# Altium PCB transceiver_board_V1.PcbDoc (part 1 of 3) (continued)
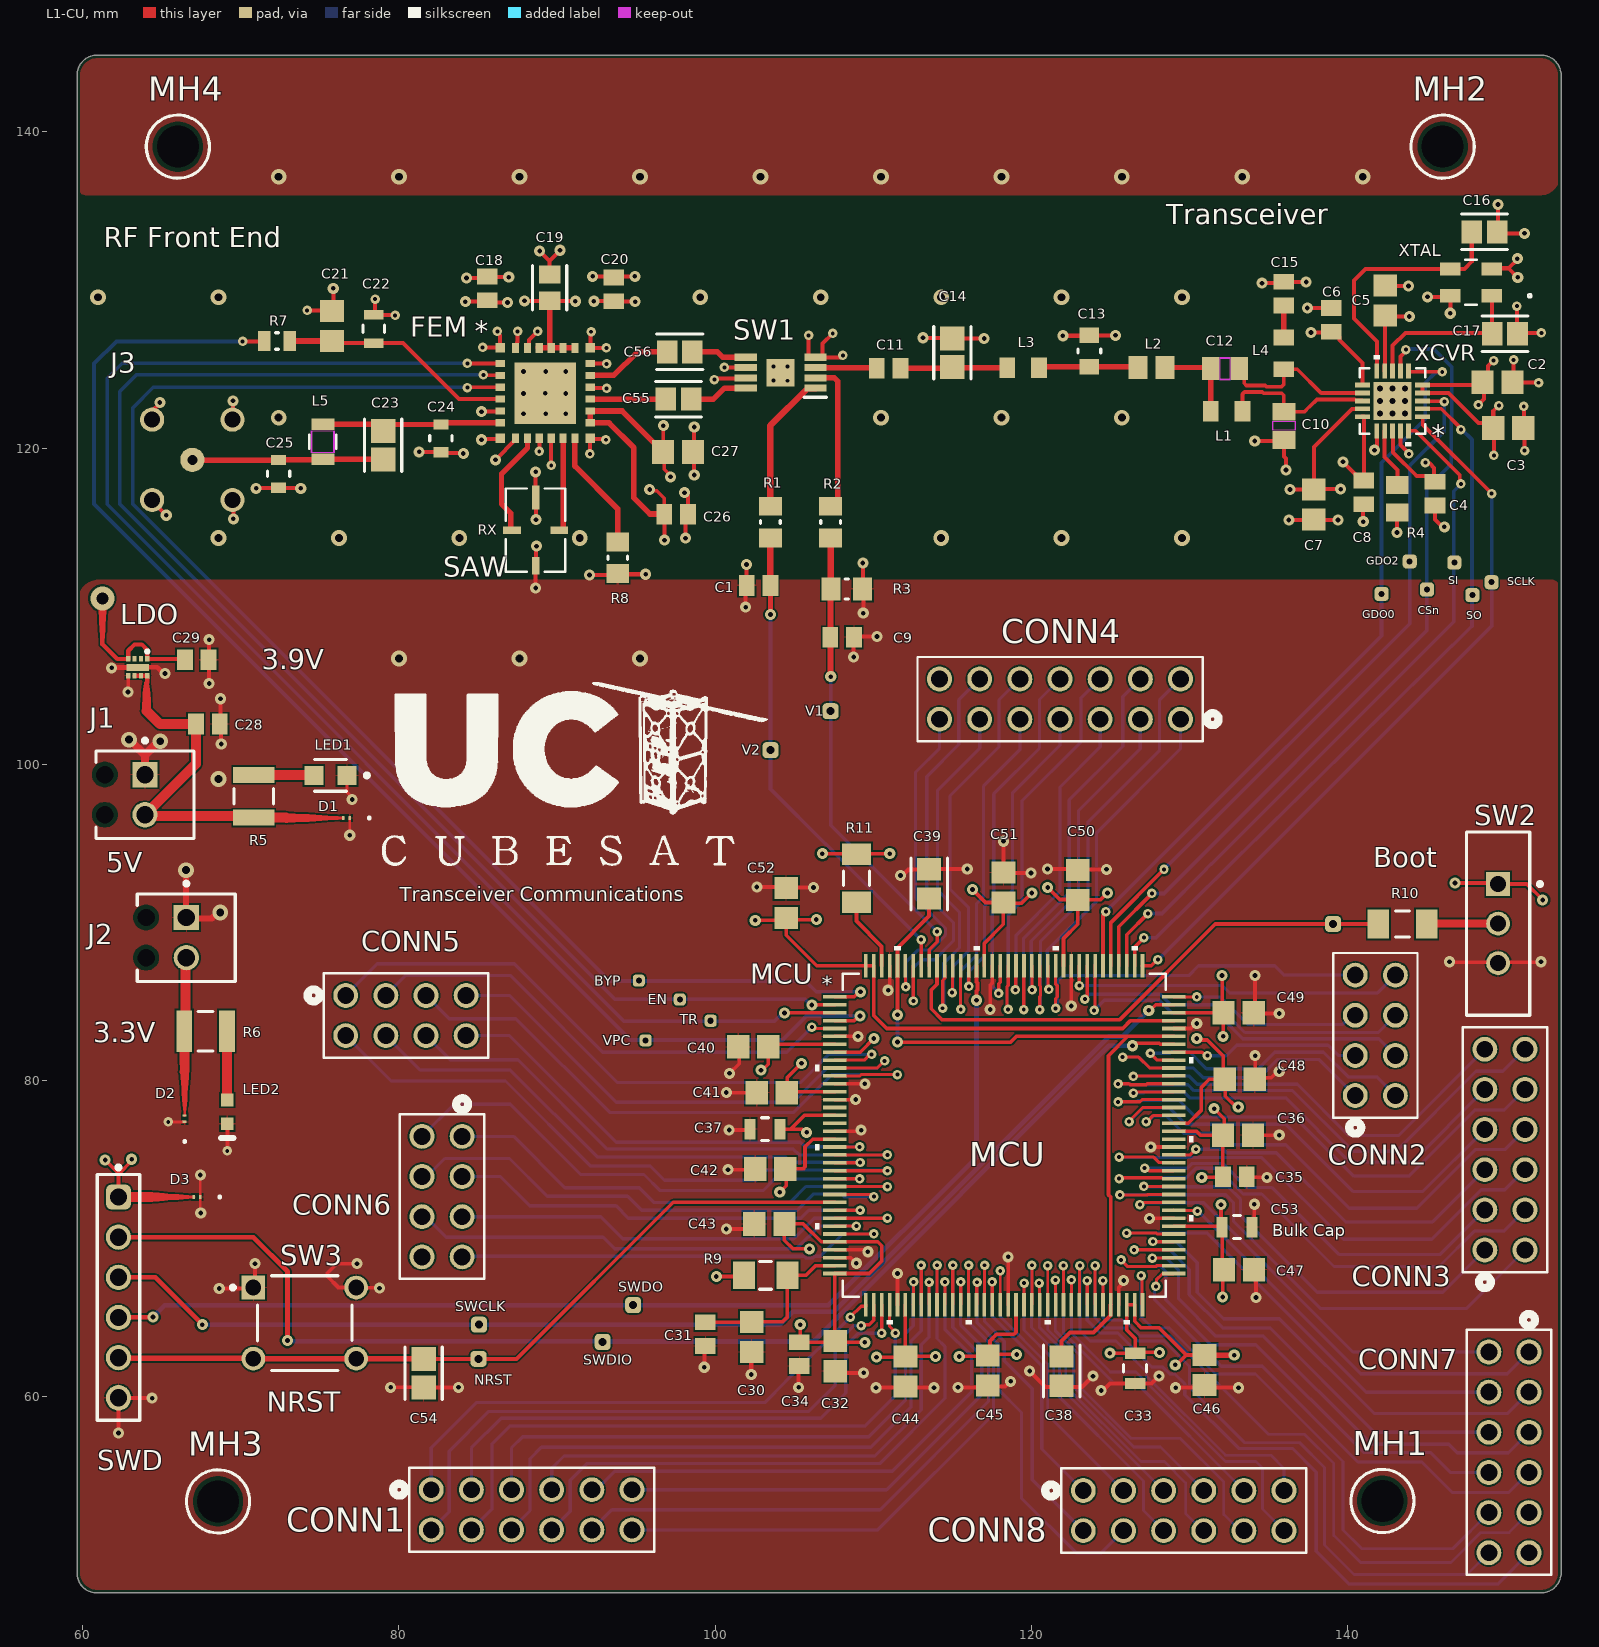
[diagram p0: L1-CU view]
## Design rules (kind name [scope] priority, off if disabled: settings) (continued)
SilkToSilkClearance [All] p1: silktosilkclearance=0.127
SilkToSolderMaskClearance "LDO silk to solder" [HasFootprint('NCP186AMX330TAG') vs HasFootprint('NCP186AMX330TAG')] p1: minsilkscreentomaskgap=0.025 clearancetoexposedcopper=TRUE
SilkToSolderMaskClearance [IsPad] p2: minsilkscreentomaskgap=0.127 clearancetoexposedcopper=TRUE
SolderMaskExpansion [All] p1: expansion=0.051 istentingtop=FALSE
SupplyNets "Schematic Supply Nets_5" [InNet('3.9V')] p1: voltage=0.000
SupplyNets "Schematic Supply Nets_3" [InNet('VREF+')] p2: voltage=0.000
SupplyNets "Schematic Supply Nets_2" [InNet('5V')] p3: voltage=0.000
SupplyNets "Schematic Supply Nets_1" [InNet('3.3V')] p4: voltage=0.000
SupplyNets "Schematic Supply Nets" [InNet('GND')] p5: voltage=0.000
UnRoutedNet [All] p1: checkbadconnections=TRUE
Width Width_4mil [All] p1: maxlimit=25.4 minlimit=0.102 preferedwidth=0.102 minimp=50.000000 maximp=50.000000 favimp=50.000000
Width Width_6mil [All] p2: maxlimit=25.4 minlimit=0.152 preferedwidth=0.152 minimp=50.000000 maximp=50.000000 favimp=50.000000
Width Width_10mil [All] p3: maxlimit=25.4 minlimit=0.203 preferedwidth=0.254 minimp=50.000000 maximp=50.000000 favimp=50.000000
Width Power_20mil [All] p4: maxlimit=25.4 minlimit=0.508 preferedwidth=0.508 minimp=50.000000 maximp=50.000000 favimp=50.000000
Width Power_12mil [All] p5: maxlimit=25.4 minlimit=0.305 preferedwidth=0.305 minimp=50.000000 maximp=50.000000 favimp=50.000000
19 further rules are at their usual default settings.

## Classes and differential pairs
component class stm32_mcu: C30 C31 C32 C33 C34 C35 C36 C37 C38 C39 C40 C41 C42 C43 C44 C45 C46 C47 C48 C49 C50 C51 C52 C53 C54 CONN1 CONN2 CONN3 CONN4 CONN5 CONN6 CONN7 CONN8 D3 IC2 MCU R9 R10 R11 SW2 SW3 SWD
component class jlin_transceiver_prototype: C1 C2 C3 C4 C5 C6 C7 C8 C9 C10 C11 C12 C13 C14 C15 C16 C17 C18 C19 C20 C21 C22 C23 C24 C25 C26 C27 C28 C29 C55 C56 D1 D2 dr FEM J1 J2 J3 L1 L2 L3 L4 L5 LDO LED1 LED2 MH1 MH2 MH3 MH4 R1 R2 R3 R4 R5 R6 R7 R8 "RF SWITCH" SAW SW1 XCVR XTAL
differential pair RF: +RF_P -RF_N

## Components (designator, comment, footprint, x,y, rotation, side; value= is the part's Value field where it differs from the comment)
C1 "GRM2165C1H101JA01D" CAPC2013X70X45LL10T25 102.747,111.303 r180 top value=100pF
C2 "GRM21BR72A104KAC4L" CAPC2013X135X45ML10T25 149.504,124.155 r180 top value=100nF
C3 "GRM21BR72A104KAC4L" CAPC2013X135X45ML10T25 150.175,121.26 r180 top value=100nF
C4 "GRM2165C1H221JA01D" CAPC2013X70X45LL10T25 145.542,117.119 r90 top value=220pF
C5 "GRM21BR72A103KA01K" CAPC2013X135X45ML10T25 142.392,129.337 r270 top value=10nF
C6 "GRM2165C1H221JA01D" CAPC2013X70X45LL10T25 138.989,128.106 r270 top value=220pF
C7 "GRM21BR72A103KA01K" CAPC2013X135X45ML10T25 137.871,116.434 r90 top value=10nF
C8 "GRM2165C1H221JA01D" CAPC2013X70X45LL10T25 141.046,117.196 r90 top value=220pF
C9 "GRM2165C1H101JA01D" CAPC2013X70X45LL10T25 108.03,108.036 r180 top value=100pF
C10 "CC0805CRNPO9BN3R9" CAP_CC0805_YAG 135.992,121.404 r270 top value=3.9pF
C11 "GRM2165C1H221JA01D" CAPC2013X70X45LL10T25 110.973,125.05 r180 top value=220pF
C12 "CC0805CRNPO9BN3R9" CAP_CC0805_YAG 132.258,125.019 r180 top value=3.9pF
C13 "KGM21BCG2A8R2DT" FP-0805-L_2_01_0_2-W_1_25-MFG 123.673,126.136 r90 top value=8.2pF
C14 "C0805C569C5GACTU" FP-C0805C-DN-IPC_A 115.011,126.027 r90 top value=5.6pF
C15 "GRM2165C1H221JA01D" CAPC2013X70X45LL10T25 135.966,129.769 r270 top value=220pF
C16 "GRM21A5C2E270JW01D" FP-GRM21A-0_2-IPC_B 148.666,133.68 r0 top value=27pF
C17 "GRM21A5C2E270JW01D" FP-GRM21A-0_2-IPC_B 149.962,127.229 r0 top value=27pF
C18 "GRM2165C1H221JA01D" CAPC2013X70X45LL10T25 85.598,130.099 r270 top value=220pF
C19 "GRM2165C2A102JA01D" FP-GRM216-0_1-IPC_B 89.535,130.15 r270 top value=1nF
C20 "GRM21BR71C105KA01L" CAPC2013X135X45LL10T25 93.599,130.035 r270 top value=1µF
C21 "GRM21BR72A104KAC4L" CAPC2013X135X45ML10T25 75.768,127.726 r270 top value=100nF
C22 "GRM2195C1H472JA01D" FP-GRM219-0_1-MFG 78.41,127.538 r90 top value=4.7nF
C23 "C0805C309C5GACTU" FP-C0805C-DN-IPC_A 78.994,120.167 r90 top value=3pF
C24 "GQM2195C2E6R8BB12D" FP-GQM219-0_15-MFG 82.652,120.613 r270 top value=6.8pF
C25 "GQM2195C2E6R8BB12D" FP-GQM219-0_15-MFG 72.39,118.364 r270 top value=6.8pF
C26 "GRM2165C1H221JA01D" CAPC2013X70X45LL10T25 97.536,115.824 r180 top value=220pF
C27 "GRM21BR72A103KA01K" CAPC2013X135X45ML10T25 97.663,119.753 r180 top value=10nF
C28 "GRM21BR71C105KA01L" CAPC2013X135X45LL10T25 67.908,102.542 r180 top value=1µF
C29 "GRM21BR71C105KA01L" CAPC2013X135X45LL10T25 67.208,106.604 r180 top value=1µF
C30 "GRM21BR72A104KAC4L" CAPC2013X135X45ML10T25 102.311,63.769 r90 top locked value=100nF
C31 "GRM21BR71C105KA01L" CAPC2013X135X45LL10T25 99.39,63.944 r90 top locked value=1µF
C32 "GRM21BR72A104KAC4L" CAPC2013X135X45ML10T25 107.594,62.55 r90 top locked value=100nF
C33 "GRM21BZ7YA475KE15K" FP-GRM21B-0_2-e0_2_0_7-MFG 126.568,61.783 r270 top locked value=4.7µF
C34 "GRM21BR71C105KA01L" CAPC2013X135X45LL10T25 105.334,62.675 r90 top locked value=1µF
C35 "GRM21BR71C105KA01L" CAPC2013X135X45LL10T25 132.879,73.889 r180 top locked value=1µF
C36 "GRM21BR72A104KAC4L" CAPC2013X135X45ML10T25 133.071,76.53 r180 top locked value=100nF
C37 "GRM21BZ7YA475KE15K" FP-GRM21B-0_2-e0_2_0_7-MFG 103.149,76.911 r180 top locked value=4.7µF
C38 "GRM21BR71E225KE11L" FP-GRM21B-0_15-IPC_A 121.92,61.609 r270 top locked value=2.2µF
C39 "GRM21BR71E225KE11L" FP-GRM21B-0_15-IPC_A 113.538,92.423 r90 top locked value=2.2µF
C40 "GRM21BR72A104KAC4L" CAPC2013X135X45ML10T25 102.413,82.118 r0 top locked value=100nF
C41 "GRM21BR72A104KAC4L" CAPC2013X135X45ML10T25 103.581,79.223 r0 top locked value=100nF
C42 "GRM21BR72A104KAC4L" CAPC2013X135X45ML10T25 103.49,74.397 r0 top locked value=100nF
C43 "GRM21BR72A104KAC4L" CAPC2013X135X45ML10T25 103.429,70.917 r0 top locked value=100nF
C44 "GRM21BR72A104KAC4L" CAPC2013X135X45ML10T25 112.039,61.585 r90 top locked value=100nF
C45 "GRM21BR72A104KAC4L" CAPC2013X135X45ML10T25 117.246,61.654 r90 top locked value=100nF
C46 "GRM21BR72A104KAC4L" CAPC2013X135X45ML10T25 130.962,61.671 r90 top locked value=100nF
C47 "GRM21BR72A104KAC4L" CAPC2013X135X45ML10T25 133.132,68.021 r180 top locked value=100nF
C48 "GRM21BR72A104KAC4L" CAPC2013X135X45ML10T25 133.187,80.061 r180 top locked value=100nF
C49 "GRM21BR72A104KAC4L" CAPC2013X135X45ML10T25 133.121,84.277 r180 top locked value=100nF
C50 "GRM21BR72A104KAC4L" CAPC2013X135X45ML10T25 122.936,92.365 r270 top locked value=100nF
C51 "GRM21BR72A104KAC4L" CAPC2013X135X45ML10T25 118.237,92.202 r270 top locked value=100nF
C52 "GRM21BR72A104KAC4L" CAPC2013X135X45ML10T25 104.496,91.211 r270 top locked value=100nF
C53 "GRM21BZ7YA475KE15K" FP-GRM21B-0_2-e0_2_0_7-MFG 133.02,70.714 r0 top locked value=4.7µF
C54 "C0805C104K5RACTU" FP-C0805C-DN-IPC_A 81.559,61.468 r90 top value=100nF
C55 "GRM21A5C2E680JW01D" FP-GRM21A-0_2-IPC_B 97.688,123.088 r180 top value=68pF
C56 "GRM21A5C2E680JW01D" FP-GRM21A-0_2-IPC_B 97.765,126.086 r180 top value=68pF
CONN1 "10-89-7120" CONN12_0010897120_MOL 82.042,54.102 r0 top
CONN2 "10-89-7080" CONN08_0010897080_MOL 140.495,79.036 r90 top
CONN3 "10-89-7120" CONN12_0010897120_MOL 148.692,69.266 r90 top
CONN4 "10-89-7140" CONN14_0010897140_MOL 129.438,102.845 r180 top
CONN5 "10-89-7080" CONN08_0010897080_MOL 76.632,85.369 r0 top
CONN6 "10-89-7080" CONN08_0010897080_MOL 83.998,76.454 r270 top
CONN7 "10-89-7120" CONN12_0010897120_MOL 151.486,62.814 r270 top
CONN8 "10-89-7120" CONN12_0010897120_MOL 123.292,54.051 r0 top
D1 "PESD3V3Z1BCSFYL" SOD962-2_DSN0603-2_NEX 76.683,96.596 r180 top
D2 "PESD3V3Z1BCSFYL" SOD962-2_DSN0603-2_NEX 66.446,77.572 r90 top
D3 "PESD3V3Z1BCSFYL" SOD962-2_DSN0603-2_NEX 67.234,72.619 r180 top
FEM "SKY65366-21" SKY65366-21-Footprint-1 89.256,123.342 r0 top locked
J1 "1725656" PHOE-1725656-2 63.932,98.069 r270 top
J2 "1725656" PHOE-1725656-2 66.548,89.027 r270 top locked
J3 "CONMCX" CONMCX002-Footprint-1 66.929,119.253 r270 top locked
L1 "7447880127" WE-MK_0805_L2W1.25H0.85 132.359,122.326 r180 top value=27nH
L2 "AIMC-0805-22NJ-T" INDC2012X105N 127.61,125.095 r180 top value=22nH
L3 "7447880127" WE-MK_0805_L2W1.25H0.85 119.482,125.075 r180 top value=27nH
L4 "7447880127" WE-MK_0805_L2W1.25H0.85 135.966,125.984 r270 top value=27nH
L5 "AIMC-0805-12NJ-T" AIMC-0805_ABR 75.184,120.396 r90 top value=12nH
LDO "NCP186AMX390TAG" NCP186AMX330TAG 63.478,106.38 r180 top locked
LED1 "LTST-C170KFKT" FP-LTST-C170KFKT-MFG 75.667,99.289 r180 top
LED2 "LTST-C190KRKT" LTST-C191KRKT_V 69.139,78.003 r270 top
MCU "STM32H745ZIT3" LQFP-144 118.288,76.53 r0 top locked
MH1 "MPMS0020012PH" BF-MPMS0020012PH 142.215,53.391 r0 top locked
MH2 "MPMS0020012PH" BF-MPMS0020012PH 146.025,139.065 r0 top
MH3 "MPMS0020012PH" BF-MPMS0020012PH 68.555,53.365 r0 top
MH4 "MPMS0020012PH" BF-MPMS0020012PH 66.015,139.065 r0 top
R1 "Resistor 0R +/- 5% 0805 125 mW" RESC2013X60X35ML10T20 103.497,115.316 r90 top value=0
R2 "Resistor 0R +/- 5% 0805 125 mW" RESC2013X60X35ML10T20 107.307,115.316 r90 top value=0
R3 "Resistor 0R +/- 5% 0805 125 mW" RESC2013X60X35ML10T20 108.323,111.084 r180 top value=0
R4 "ERJ-6GEYJ563V" RESC2013X70X40NL20T20 143.154,116.789 r270 top value=56k
R5 "CRCW1210150RJNEA" FP-CRCW1210-e3-IPC_C 70.815,97.972 r270 top value=150
R6 "CRCW1210150RJNEA" FP-CRCW1210-e3-IPC_C 67.767,83.109 r180 top value=150
R7 "RC0805FR-0710KL" RESC2013X60X35LL10T20 72.288,126.771 r0 top value=10k
R8 "Resistor 0R +/- 5% 0805 125 mW" RESC2013X60X35ML10T20 93.843,113.057 r90 top value=0
R9 "RMCF1206JT47R0" FP-RMCF1206-IPC_B 103.2,67.666 r0 top locked value=47
R10 "RC0805FR-0710KL" RESC3216X60X45ML15T20 143.485,89.891 r0 top value=10k
R11 "Resistor 10k +/-1% 1206 250 mW" RESC3216X60X45ML15T20 108.941,92.786 r90 top locked value=10k
SAW "B39431R0820H210" B39431R0820H210_QUA 88.646,114.808 r0 top
SW1 "PE4251MLI-Z" SOP65P490X106-9N 104.14,124.765 r180 top locked
SW2 "EG1218" ESWI-EG1218_V 149.53,89.916 r270 top locked
SW3 "1825910-6 Tact Switch" TECO-1825910-6_V 74.041,64.643 r0 top locked
SWD "61300611121" 61300611121 62.255,66.269 r270 top
XCVR "CC1101RGP" CC1101RGP-Footprint-1 142.857,122.98 r180 top locked
XTAL "NX3225GA-26MHZ-TI" NX3225GA_NDK 147.828,130.48 r180 top locked

## Footprints (in the part's own frame and the unit in brackets; to place one, negate y for a bottom-side part, rotate by r counter-clockwise, add the part's x,y. Pads: shape width x height; smd on the part's side, far side on the other; paste and mask are expansions set on the pad)
61300611121 [mm] "Pin Header, pitch 2.54 mm, THT, Vertical, single row, 6p"
  rrect50% 1.6x1.6 hole 1.1: 1(-6.35,0)
  round 1.6 hole 1.1: 2(-3.81,0) 3(-1.27,0) 4(1.27,0) 5(3.81,0) 6(6.35,0)
  silkscreen extent -8.34,-1.35 7.77,1.35, body extent -7.62,-1.27 7.62,1.27, height 8.57
AIMC-0805_ABR [mil]
  rect 28x57 smd paste+0 mask+0: 1(-43.5,0) 2(43.5,0)
  L1-CU keep-out region: -27.5,-26.5 -27.5,26.5 27.5,26.5 27.5,-26.5
  Keep-Out Layer region: -27.5,-28.5 -27.5,28.5 27.5,28.5 27.5,-28.5
  silkscreen extent -17,-34 17,34, body extent -44,-29 44,29, height 45
B39431R0820H210_QUA [mil]
  rect 44x19 smd paste+0 mask+0: 1(-59,0) 3(59,0)
  rect 19x44 smd paste+0 mask+0: 2(0,-88.5)
  rect 19x59 smd paste+0 mask+0: 4(0,81)
  silkscreen extent -74,-104 74,104
BF-MPMS0020012PH [mm] "Copper Pillar 9mm, M2 Screw"
  round 1 hole 2.65 unplated: 1(0,0)
  silkscreen extent -2,-2 2,2, body extent -1.85,-1.85 1.85,1.85, height 4.75
CAP_CC0805_YAG [mil]
  rect 44x57 smd paste+0 mask+0: 1(-35.31,0) 2(35.31,0)
  L1-CU keep-out region: -11.31,-26.5 -11.31,26.5 11.31,26.5 11.31,-26.5
  Keep-Out Layer region: -11.31,-28.5 -11.31,28.5 11.31,28.5 11.31,-28.5
  body extent -70,-42 70,42, height 57
CAPC2013X70X45LL10T25 [mm] "Chip Capacitor, 2-Leads, Body 2.00x1.25mm, IPC High Density"
  rect 1x1.3 smd: 1(-0.75,0) 2(0.75,0)
  body extent -1.05,-0.67 1.05,0.68, height 0.7
CAPC2013X135X45LL10T25 [mm] "Chip Capacitor, 2-Leads, Body 2.00x1.25mm, IPC High Density"
  rect 1x1.3 smd: 1(-0.75,0) 2(0.75,0)
  body extent -1.05,-0.67 1.05,0.68, height 1.35
CAPC2013X135X45ML10T25 [mm] "Chip Capacitor, 2-Leads, Body 2.00x1.25mm, IPC Low Density"
  rect 1.4x1.5 smd: 1(-0.95,0) 2(0.95,0)
  body extent -1.05,-0.67 1.05,0.67, height 1.35
CC1101RGP-Footprint-1 [mil]
  rect 37.5x12 smd paste-18.75 mask-19: 1(-74.75,39.37) 2(-74.75,19.69) 3(-74.75,0) 4(-74.75,-19.68) 5(-74.75,-39.37) 11(74.75,-39.37) 12(74.75,-19.68) 13(74.75,0) 14(74.75,19.69) 15(74.75,39.37)
  rect 12x37.5 smd paste-18.75 mask-19: 6(-39.37,-74.75) 7(-19.69,-74.75) 8(0,-74.75) 9(19.68,-74.75) 10(39.37,-74.75) 16(39.37,74.75) 17(19.68,74.75) 18(0,74.75) 19(-19.69,74.75) 20(-39.37,74.75)
  rect 95x95 smd paste-47 mask-47: 21(0,0)
  round 30 hole 15 paste-99999 mask-10: GND(0,-31) V(-31,31) V(-31,0) V(-31,-31) V(0,31) V(0,0) V(31,31) V(31,0) V(31,-31)
  silkscreen extent -82,-114 82,114, body extent -81,-81 81,81, height 39
CONMCX002-Footprint-1 [mil]
  round 60 hole 25 paste-99999 mask+10: 1(0,0)
  round 60 hole 40 paste-99999 mask+10: 2(-100,100) 3(100,100) 4(100,-100) 5(-100,-100)
  body extent -118,-250 118,120, height 218
CONN08_0010897080_MOL [mil]
  round 62 / inner round 60 / far side round 62 hole 42 paste-99999 mask+0: 1(0,0) 2(0,-100) 3(100,0) 4(100,-100) 5(200,0) 6(200,-100) 7(300,0) 8(300,-100)
  silkscreen extent -95,-155 355,55, body extent -50,-150 350,50, height 285
CONN12_0010897120_MOL [mil]
  round 62 / inner round 60 / far side round 62 hole 42 paste-99999 mask+0: 1(0,0) 2(0,-100) 3(100,0) 4(100,-100) 5(200,0) 6(200,-100) 7(300,0) 8(300,-100) 9(400,0) 10(400,-100) 11(500,0) 12(500,-100)
  silkscreen extent -95,-155 555,55, body extent -50,-150 550,50, height 285
CONN14_0010897140_MOL [mil]
  round 62 / inner round 60 / far side round 62 hole 42 paste-99999 mask+0: 1(0,0) 2(0,-100) 3(100,0) 4(100,-100) 5(200,0) 6(200,-100) 7(300,0) 8(300,-100) 9(400,0) 10(400,-100) 11(500,0) 12(500,-100) 13(600,0) 14(600,-100)
  silkscreen extent -95,-155 655,55, body extent -50,-150 650,50, height 285
ESWI-EG1218_V [mm] "THD, 3-Leads, Body 11.6x4mm, Pitch 2.5mm"
  rect 1.5x1.5 hole 1: 1(-2.5,0)
  round 1.5 hole 1: 2(0,0) 3(2.5,0)
  silkscreen extent -5.8,-2 5.8,2.78, body extent -5.8,-2 5.8,2, height 7.4
FP-0805-L_2_01_0_2-W_1_25-MFG [mm]
  rect 1x1.25 smd paste+0 mask+0: 1(-1,0) 2(1,0)
  silkscreen extent -0.13,-0.72 0.13,0.72, body extent -1.6,-0.82 1.6,0.82, height 0.25
FP-C0805C-DN-IPC_A [mm]
  rect 1.505x1.556 smd paste+0 mask+0: 1(-0.901,0) 2(0.901,0)
  silkscreen extent -1.65,-1.18 1.65,1.18, body extent -2.15,-1.28 2.15,1.28, height 0.25
FP-CRCW1210-e3-IPC_C [mm]
  rect 1.005x2.606 smd paste+0 mask+0: 1(-1.351,0) 2(1.351,0)
  silkscreen extent -0.47,-1.25 0.47,1.25, body extent -1.95,-1.45 1.95,1.45, height 0.25
FP-GQM219-0_15-MFG [mm]
  rect 0.65x0.95 smd paste+0 mask+0: 1(-0.875,0) 2(0.875,0)
  silkscreen extent -0.18,-0.7 0.18,0.7, body extent -1.3,-0.8 1.3,0.8, height 0.25
FP-GRM21A-0_2-IPC_B [mm]
  rect 1.305x1.456 smd paste+0 mask+0: 1(-0.801,0) 2(0.801,0)
  silkscreen extent -1.45,-1.13 1.45,1.13, body extent -1.7,-0.98 1.7,0.98, height 0.25
FP-GRM21B-0_2-e0_2_0_7-MFG [mm]
  rect 0.7x1.3 smd paste+0 mask+0: 1(-0.95,0) 2(0.95,0)
  silkscreen extent -0.23,-0.72 0.23,0.72, body extent -1.4,-0.82 1.4,0.82, height 0.25
FP-GRM21B-0_15-IPC_A [mm]
  rect 1.406x1.508 smd paste+0 mask+0: 1(-0.926,0) 2(0.926,0)
  silkscreen extent -1.63,-1.15 1.63,1.15, body extent -2.13,-1.25 2.13,1.25, height 0.25
FP-GRM216-0_1-IPC_B [mm]
  rect 1.158x1.361 smd paste+0 mask+0: 1(-0.827,0) 2(0.827,0)
  silkscreen extent -1.41,-1.08 1.41,1.08, body extent -1.66,-0.93 1.66,0.93, height 0.25
FP-GRM219-0_1-MFG [mm]
  rect 0.6x1.25 smd paste+0 mask+0: 1(-0.9,0) 2(0.9,0)
  silkscreen extent -0.23,-0.67 0.23,0.67, body extent -1.3,-0.77 1.3,0.77, height 0.25
FP-LTST-C170KFKT-MFG [mm]
  rect 1.2x1.2 smd paste+0 mask+0: 1(-1.05,0) 2(1.05,0)
  silkscreen extent -2.43,-1 1,1, body extent -1.75,-0.77 1.75,0.77, height 0.25
FP-RMCF1206-IPC_B [mm]
  rect 1.404x1.758 smd paste+0 mask+0: 1(-1.376,0) 2(1.376,0)
  silkscreen extent -0.37,-0.88 0.37,0.88, body extent -2.33,-1.13 2.33,1.13, height 0.25
INDC2012X105N [mm]
  rect 1.2x1.47 smd: 1(-0.86,0) 2(0.86,0)
  body extent -1,-0.63 1,0.63, height 0.43
LQFP-144 [mil]
  rect 58x9 smd paste+0 mask+0: 1(-422,344.49) 2(-422,324.8) 3(-422,305.12) 4(-422,285.43) 5(-422,265.75) 6(-422,246.06) 7(-422,226.38) 8(-422,206.69) 9(-422,187.01) 10(-422,167.32) 11(-422,147.64) 12(-422,127.95) 13(-422,108.27) 14(-422,88.58) 15(-422,68.9) 16(-422,49.21) 17(-422,29.53) 18(-422,9.84) 19(-422,-9.84) 20(-422,-29.53) 21(-422,-49.21) 22(-422,-68.9) 23(-422,-88.58) 24(-422,-108.27) 25(-422,-127.95) 26(-422,-147.64) 27(-422,-167.32) 28(-422,-187.01) 29(-422,-206.69) 30(-422,-226.38) 31(-422,-246.06) 32(-422,-265.75) 33(-422,-285.43) 34(-422,-305.12) 35(-422,-324.8) 36(-422,-344.49) 73(422,-344.49) 74(422,-324.8) 75(422,-305.12) 76(422,-285.43) 77(422,-265.75) 78(422,-246.06) 79(422,-226.38) 80(422,-206.69) 81(422,-187.01) 82(422,-167.32) 83(422,-147.64) 84(422,-127.95) 85(422,-108.27) 86(422,-88.58) 87(422,-68.9) 88(422,-49.21) 89(422,-29.53) 90(422,-9.84) 91(422,9.84) 92(422,29.53) 93(422,49.21) 94(422,68.9) 95(422,88.58) 96(422,108.27) 97(422,127.95) 98(422,147.64) 99(422,167.32) 100(422,187.01) 101(422,206.69) 102(422,226.38) 103(422,246.06) 104(422,265.75) 105(422,285.43) 106(422,305.12) 107(422,324.8) 108(422,344.49)
  rect 9x58 smd paste+0 mask+0: 37(-344.49,-422) 38(-324.8,-422) 39(-305.12,-422) 40(-285.43,-422) 41(-265.75,-422) 42(-246.06,-422) 43(-226.38,-422) 44(-206.69,-422) 45(-187.01,-422) 46(-167.32,-422) 47(-147.64,-422) 48(-127.95,-422) 49(-108.27,-422) 50(-88.58,-422) 51(-68.9,-422) 52(-49.21,-422) 53(-29.53,-422) 54(-9.84,-422) 55(9.84,-422) 56(29.53,-422) 57(49.21,-422) 58(68.9,-422) 59(88.58,-422) 60(108.27,-422) 61(127.95,-422) 62(147.64,-422) 63(167.32,-422) 64(187.01,-422) 65(206.69,-422) 66(226.38,-422) 67(246.06,-422) 68(265.75,-422) 69(285.43,-422) 70(305.12,-422) 71(324.8,-422) 72(344.49,-422) 109(344.49,422) 110(324.8,422) 111(305.12,422) 112(285.43,422) 113(265.75,422) 114(246.06,422) 115(226.38,422) 116(206.69,422) 117(187.01,422) 118(167.32,422) 119(147.64,422) 120(127.95,422) 121(108.27,422) 122(88.58,422) 123(68.9,422) 124(49.21,422) 125(29.53,422) 126(9.84,422) 127(-9.84,422) 128(-29.53,422) 129(-49.21,422) 130(-68.9,422) 131(-88.58,422) 132(-108.27,422) 133(-127.95,422) 134(-147.64,422) 135(-167.32,422) 136(-187.01,422) 137(-206.69,422) 138(-226.38,422) 139(-246.06,422) 141(-285.43,422) 142(-305.12,422) 143(-324.8,422) 144(-344.49,422)
  rect 9x58 smd paste+0 mask+4: 140(-265.75,422)
  silkscreen extent -471,-471 471,471, body extent -437,-437 437,437, height 63
LTST-C191KRKT_V [mm] "SMD, 2-Leads, Body 1.6x0.8mm"
  rect 0.8x0.8 smd: 1(-0.75,0) 2(0.75,0)
  silkscreen extent 1.65,-0.4 1.65,0.4, body extent -0.8,-0.4 0.8,0.4, height 0.9
NCP186AMX330TAG [mm]
  rect 0.26x0.35 smd: 1(-0.6,-0.275) 2(-0.2,-0.275) 3(0.2,-0.275) 4(0.6,-0.275) 5(0.6,0.775) 6(0.2,0.775) 7(-0.2,0.775) 8(-0.6,0.775)
  rect 1.44x0.44 smd: 9(0,0.25)
  silkscreen extent -0.7,-0.85 -0.5,-0.65
NX3225GA_NDK [mil]
  rect 51x33 smd paste+0 mask+0: 1(-51.5,33.46) 2(-51.5,-33.46) 3(51.5,-33.46) 4(51.5,33.46)
  silkscreen extent -150,-56 14,56, body extent -65,-51 65,51, height 35
PHOE-1725656-2 [mm] "Connector, 2-Leads, Body 6.2x5.4mm, Pitch 2.54mm"
  rect 1.6x1.6 hole 1.1: 1(-1.27,0)
  round 1.6 hole 1.1: 2(1.27,0)
  round 0 hole 1.1 unplated: MH1(-1.27,-2.54) MH2(1.27,-2.54)
  silkscreen extent -3.54,-3.1 2.77,3.1, body extent -2.77,-3.1 2.77,3.1, height 9
RESC2013X60X35LL10T20 [mm] "Chip Resistor, 2-Leads, Body 2.1x1.35mm, IPC High Density"
  rect 0.8x1.25 smd: 1(-0.8,0) 2(0.8,0)
  silkscreen extent -0.1,-0.53 0.1,0.53, body extent -1.05,-0.67 1.05,0.68, height 0.6
RESC2013X60X35ML10T20 [mm] "Chip Resistor, 2-Leads, Body 2.1x1.35mm, IPC Low Density"
  rect 1.2x1.45 smd: 1(-1,0) 2(1,0)
  silkscreen extent -0.1,-0.63 0.1,0.63, body extent -1.05,-0.68 1.05,0.67, height 0.6
RESC2013X70X40NL20T20 [mm] "Chip Resistor, 2-Leads, Body 2.00x1.25mm, IPC Medium Density"
  rect 1.15x1.45 smd: 1(-0.875,0) 2(0.875,0)
  body extent -1.1,-0.72 1.1,0.72, height 0.7
RESC3216X60X45ML15T20 [mm] "Chip Resistor, 2-Leads, Body 3.3x1.75mm, IPC Low Density"
  rect 1.35x1.85 smd: 1(-1.525,0) 2(1.525,0)
  silkscreen extent -0.45,-0.82 0.45,0.82, body extent -1.65,-0.87 1.65,0.87, height 0.6
SKY65366-21-Footprint-1 [mil]
  rect 24x24 smd paste-12 mask-12: 1(-112.02,117.68) 8(-112.02,-107.64) 15(112.02,-107.64) 22(112.02,117.68)
  rect 24x18 smd paste-12 mask-12: 2(-112.02,78.82) 3(-112.02,49.29) 4(-112.02,19.76) 5(-112.02,-9.76) 6(-112.02,-39.29) 7(-112.02,-68.82) 16(112.02,-68.82) 17(112.02,-39.29) 18(112.02,-9.76) 19(112.02,19.76) 20(112.02,49.29) 21(112.02,78.82)
  rect 18x24 smd paste-12 mask-12: 9(-73.82,-107.68) 10(-44.29,-107.68) 11(-14.76,-107.68) 12(14.76,-107.68) 13(44.29,-107.68) 14(73.82,-107.68) 23(73.82,117.68) 24(44.29,117.68) 25(14.76,117.68) 26(-14.76,117.68) 27(-44.29,117.68) 28(-73.82,117.68)
  rect 153x153 smd paste-76 mask+0: 29(0,5)
SOD962-2_DSN0603-2_NEX [mil]
  rect 6x10 smd paste+0 mask+0: 1(-8,0) 2(8,0)
  silkscreen extent -60,-3 -54,3, body extent -13,-6 13,6, height 13
SOP65P490X106-9N [mm]
  rect 1.4x0.45 smd: 1(-2.2,0.975) 2(-2.2,0.325) 3(-2.2,-0.325) 4(-2.2,-0.975) 5(2.2,-0.975) 6(2.2,-0.325) 7(2.2,0.325) 8(2.2,0.975)
  rect 1.75x1.75 smd: 9(0,0)
  silkscreen extent -2.9,1.55 -1.5,1.55, body extent -2.45,-1.5 2.45,1.5, height 1.06
TECO-1825910-6_V [mm] "Switch, 4-Leads, Body 5.99x5.99mm"
  rect 1.5x1.5 hole 0.99: 1(-3.25,2.25)
  round 1.5 hole 0.99: 2(3.25,2.25) 3(-3.25,-2.25) 4(3.25,-2.25)
  silkscreen extent -4.67,-2.99 2.99,3, body extent -3,-2.99 2.99,3, height 5
WE-MK_0805_L2W1.25H0.85 [mm] "Multilayer Ceramic SMT Inductor, body 2.00x1.25mm"
  rect 1x1.3 smd: 1(-1,0) 2(1,0)
  body extent -1,-0.62 1,0.63, height 0.85

## Part data
C1 C9: library part CMP-001-00139-1, "Ceramic Capacitor, Multilayer, Ceramic, 50V, 5% +Tol, 5% -Tol, C0G, -/+30ppm/Cel TC, 0.0001uF, Surface Mount, 0805", Capacitor Type=Ceramic, Case/Package=0805, Max Operating Temperature=125°C, Min Operating Temperature=-55°C, Package Shape=Rectangular, Package Style=SMTMeter, Rated DC Voltage (URdc)=50V, Temperature Characteristics Code=C0G, Tolerance  (fill in as +-)=5%, Dielectric Material=Ceramic, Height=0.6mm, JESD-609 Code=e3, Length=2mm, Mounting Technology="Surface Mount", Multilayer=Yes, Packaging="Tape and Reel", Pins=2, Reach SVHC Compliant=Yes, RoHS Compliant=Yes, Terminal Finish=Nickel, Termination=Wraparound, Tolerance (fill in as +-)=5%, Width=1.25mm
C2 C3 C21 C30 C32 C36 C40 C41 C42 C43 C44 C45 C46 C47 C48 C49 C50 C51 C52: library part CMP-001-00124-1, "Ceramic Capacitor, Multilayer, Ceramic, 100V, 10% +Tol, 10% -Tol, X7R, 15% TC, 0.1uF, Surface Mount, 0805", Capacitor Type=Ceramic, Case/Package=0805, Max Operating Temperature=125°C, Min Operating Temperature=-55°C, Package Shape=Rectangular, Package Style=SMTMeter, Rated DC Voltage (URdc)=100V, Temperature Characteristics Code=X7R, Tolerance  (fill in as +-)=10%, Dielectric Material=Ceramic, Height=1.25mm, JESD-609 Code=e3, Length=2mm, Mounting Technology="Surface Mount", Multilayer=Yes, Packaging="Tape and Reel", Pins=2, Reach SVHC Compliant=Yes, RoHS Compliant=Yes, Terminal Finish=Nickel, Termination=Wraparound, Tolerance (fill in as +-)=10%, Width=1.25mm
C4 C6 C8 C11 C15 C18 C26: library part CMP-001-00130-1, "Ceramic Capacitor, Multilayer, Ceramic, 50V, 5% +Tol, 5% -Tol, C0G, -/+30ppm/Cel TC, 0.00022uF, Surface Mount, 0805", Capacitor Type=Ceramic, Case/Package=0805, Max Operating Temperature=125°C, Min Operating Temperature=-55°C, Package Shape=Rectangular, Package Style=SMTMeter, Rated DC Voltage (URdc)=50V, Temperature Characteristics Code=C0G, Tolerance  (fill in as +-)=5%, Dielectric Material=Ceramic, Height=0.6mm, JESD-609 Code=e3, Length=2mm, Mounting Technology="Surface Mount", Multilayer=Yes, Packaging="Tape and Reel", Pins=2, Reach SVHC Compliant=Yes, RoHS Compliant=Yes, Terminal Finish=Nickel, Termination=Wraparound, Tolerance (fill in as +-)=5%, Width=1.25mm
  C4 C6 C8: ComponentLink1Description="New link"
C5 C7 C27: library part CMP-001-00132-1, "Ceramic Capacitor, Multilayer, Ceramic, 100V, 10% +Tol, 10% -Tol, X7R, 15% TC, 0.01uF, Surface Mount, 0805", Capacitor Type=Ceramic, Case/Package=0805, Max Operating Temperature=125°C, Min Operating Temperature=-55°C, Package Shape=Rectangular, Package Style=SMTMeter, Rated DC Voltage (URdc)=100V, Temperature Characteristics Code=X7R, Tolerance  (fill in as +-)=10%, Dielectric Material=Ceramic, Height=1.25mm, JESD-609 Code=e3, Length=2mm, Mounting Technology="Surface Mount", Multilayer=Yes, Packaging="Tape and Reel", Pins=2, Reach SVHC Compliant=Yes, RoHS Compliant=Yes, Terminal Finish=Nickel, Termination=Wraparound, Tolerance (fill in as +-)=10%, Width=1.25mm
  C5 C7: ComponentLink1Description="New link"
C10 C12: library part CMP-001-00101-5, "3.9 pF ±0.25pF 50V Ceramic Capacitor C0G, NP0 0805 (2012 Metric)", Capacitor Type=Ceramic, Case/Package=0805, Max Operating Temperature=125°C, Mfr_Name=Yageo, Min Operating Temperature=-55°C, Component Type=Standard, Design Item ID=CC0805CRNPO9BN3R9, Mounting Technology="Surface Mount", Pins=2, RoHS Compliant=Yes, Source=CC0805CRNPO9BN3R9.SchLib
C13: library part CMP-001-00135-2, "Cap Cer 8.2PF 100V C0G/NP0 0805", Capacitor Type=Ceramic, Case/Package=0805, Max Operating Temperature=125°C, Min Operating Temperature=-55°C, Package Shape=Rectangular, Package Style=SMTMeter, Rated DC Voltage (URdc)=100V, Temperature Characteristics Code=C0G, Tolerance  (fill in as +-)=6.0976%, Dielectric Material=Ceramic, Height=0.94mm, JESD-609 Code=e3, Length=2.01mm, Mounting Technology="Surface Mount", Multilayer=Yes, Packaging="Tape and Reel", Pins=2, Reach SVHC Compliant=Yes, RoHS Compliant=Yes, Terminal Finish=Nickel, Termination=Wraparound, Tolerance (fill in as +-)=6.0976%, Width=1.25mm
C14: library part CMP-001-00134-1, "Ceramic Capacitor, Multilayer, Ceramic, 50V, 4.46% +Tol, 4.46% -Tol, C0G, 30ppm/Cel TC, 0.0000056uF, Surface Mount, 0805", Capacitor Type=Ceramic, Case/Package=0805, Max Operating Temperature=125°C, Min Operating Temperature=-55°C, Package Shape=Rectangular, Package Style=SMTMeter, Rated DC Voltage (URdc)=50V, Temperature Characteristics Code=C0G, Tolerance  (fill in as +-)=4.4643%, Dielectric Material=Ceramic, Height=0.78mm, JESD-609 Code=e3, Length=2mm, Mounting Technology="Surface Mount", Multilayer=Yes, Packaging="Tape and Reel", Pins=2, Reach SVHC Compliant=Yes, RoHS Compliant=Yes, Terminal Finish=Nickel, Termination=Wraparound, Tolerance (fill in as +-)=4.4643%, Width=1.25mm
C16 C17: library part CMP-001-00133-1, "Ceramic Capacitor, Multilayer, Ceramic, 250V, 5% +Tol, 5% -Tol, C0G, 30ppm/Cel TC, 0.000027uF, Surface Mount, 0805", Capacitor Type=Ceramic, Case/Package=0805, Max Operating Temperature=125°C, Min Operating Temperature=-55°C, Package Shape=Rectangular, Package Style=SMTMeter, Rated DC Voltage (URdc)=250V, Temperature Characteristics Code=C0G, Tolerance  (fill in as +-)=5%, Dielectric Material=Ceramic, Height=1mm, JESD-609 Code=e3, Length=2mm, Mounting Technology="Surface Mount", Multilayer=Yes, Packaging="Tape and Reel", Pins=2, Reach SVHC Compliant=Yes, RoHS Compliant=Yes, Terminal Finish=Nickel, Termination=Wraparound, Tolerance (fill in as +-)=5%, Width=1.25mm
C19: library part CMP-001-00136-1, "Ceramic Capacitor, Multilayer, Ceramic, 100V, 5% +Tol, 5% -Tol, C0G, 30ppm/Cel TC, 0.001uF, Surface Mount, 0805", Capacitor Type=Ceramic, Case/Package=0805, Max Operating Temperature=125°C, Min Operating Temperature=-55°C, Package Shape=Rectangular, Package Style=SMTMeter, Rated DC Voltage (URdc)=100V, Temperature Characteristics Code=C0G, Tolerance  (fill in as +-)=5%, Dielectric Material=Ceramic, Height=0.6mm, JESD-609 Code=e3, Length=2mm, Mounting Technology="Surface Mount", Multilayer=Yes, Packaging="Tape and Reel", Pins=2, Reach SVHC Compliant=Yes, RoHS Compliant=Yes, Terminal Finish=Nickel, Termination=Wraparound, Tolerance (fill in as +-)=5%, Width=1.25mm
C20 C28 C29 C31 C34 C35: library part CMP-001-00129-1, "Ceramic Capacitor, Multilayer, Ceramic, 16V, 10% +Tol, 10% -Tol, X7R, 15% TC, 1uF, Surface Mount, 0805", Capacitor Type=Ceramic, Case/Package=0805, Max Operating Temperature=125°C, Min Operating Temperature=-55°C, Package Shape=Rectangular, Package Style=SMTMeter, Rated DC Voltage (URdc)=16V, Temperature Characteristics Code=X7R, Tolerance  (fill in as +-)=10%, Dielectric Material=Ceramic, Height=1.25mm, JESD-609 Code=e3, Length=2mm, Mounting Technology="Surface Mount", Multilayer=Yes, Packaging="Tape and Reel", Pins=2, Reach SVHC Compliant=Yes, RoHS Compliant=Yes, Terminal Finish=Nickel, Termination=Wraparound, Tolerance (fill in as +-)=10%, Width=1.25mm
C22: library part CMP-001-00138-1, "Ceramic Capacitor, Multilayer, Ceramic, 50V, 5% +Tol, 5% -Tol, C0G, 30ppm/Cel TC, 0.0047uF, Surface Mount, 0805", Capacitor Type=Ceramic, Case/Package=0805, Max Operating Temperature=125°C, Min Operating Temperature=-55°C, Package Shape=Rectangular, Package Style=SMTMeter, Rated DC Voltage (URdc)=50V, Temperature Characteristics Code=C0G, Tolerance  (fill in as +-)=5%, Dielectric Material=Ceramic, Height=0.85mm, JESD-609 Code=e3, Length=2mm, Mounting Technology="Surface Mount", Multilayer=Yes, Packaging="Tape and Reel", Pins=2, Reach SVHC Compliant=Yes, RoHS Compliant=Yes, Terminal Finish=Nickel, Termination=Wraparound, Tolerance (fill in as +-)=5%, Width=1.25mm
C23: library part CMP-001-00142-2, "Ceramic Capacitor, Multilayer, Ceramic, 50V, 8.33% +Tol, 8.33% -Tol, C0G, 30ppm/Cel TC, 0.000003uF, Surface Mount, 0805", Capacitor Type=Ceramic, Case/Package=0805, Max Operating Temperature=125°C, Min Operating Temperature=-55°C, Package Shape=Rectangular, Package Style=SMTMeter, Rated DC Voltage (URdc)=50V, Temperature Characteristics Code=C0G, Tolerance  (fill in as +-)=8.3333%, Dielectric Material=Ceramic, Height=0.78mm, JESD-609 Code=e3, Length=2mm, Mounting Technology="Surface Mount", Multilayer=Yes, Packaging="Tape and Reel", Pins=2, Reach SVHC Compliant=Yes, RoHS Compliant=Yes, Terminal Finish=Nickel, Termination=Wraparound, Tolerance (fill in as +-)=8.3333%, Width=1.25mm
C24 C25: library part CMP-001-00143-1, "Ceramic Capacitor, Multilayer, Ceramic, 250V, 1.47% +Tol, 1.47% -Tol, C0G, -/+30ppm/Cel TC, 0.0000068uF, Surface Mount, 0805", Capacitor Type=Ceramic, Case/Package=0805, Max Operating Temperature=125°C, Min Operating Temperature=-55°C, Package Shape=Rectangular, Rated DC Voltage (URdc)=250V, Temperature Characteristics Code=C0G, Tolerance  (fill in as +-)=1.47%, Dielectric Material=Ceramic, JESD-609 Code=e3, Mounting Technology="Surface Mount", Multilayer=Yes, Packaging="Tape and Reel", Pins=2, Reach SVHC Compliant=Yes, RoHS Compliant=Yes, Terminal Finish=Nickel, Termination=Wraparound, Tolerance (fill in as +-)=1.47%
C33 C37 C53: library part CMP-001-00127-1, "Ceramic Capacitor, Multilayer, Ceramic, 35V, 10% +Tol, 10% -Tol, X7R, 15% TC, 4.7uF, Surface Mount, 0805", Capacitor Type=Ceramic, Case/Package=0805, Max Operating Temperature=125°C, Min Operating Temperature=-55°C, Package Shape=Rectangular, Rated DC Voltage (URdc)=35V, Temperature Characteristics Code=X7R, Tolerance  (fill in as +-)=10%, Dielectric Material=Ceramic, JESD-609 Code=e3, Mounting Technology="Surface Mount", Multilayer=Yes, Packaging="Tape and Reel", Pins=2, Reach SVHC Compliant=Yes, RoHS Compliant=Yes, Terminal Finish=Nickel, Termination=Wraparound, Tolerance (fill in as +-)=10%
C38 C39: library part CMP-001-00131-1, "Ceramic Capacitor, Multilayer, Ceramic, 25V, 10% +Tol, 10% -Tol, X7R, 15% TC, 2.2uF, Surface Mount, 0805", Capacitor Type=Ceramic, Case/Package=0805, Max Operating Temperature=125°C, Min Operating Temperature=-55°C, Package Shape=Rectangular, Package Style=SMTMeter, Rated DC Voltage (URdc)=25V, Temperature Characteristics Code=X7R, Tolerance  (fill in as +-)=10%, Dielectric Material=Ceramic, Height=1.25mm, JESD-609 Code=e3, Length=2mm, Mounting Technology="Surface Mount", Multilayer=Yes, Packaging="Tape and Reel", Pins=2, Reach SVHC Compliant=Yes, RoHS Compliant=Yes, Terminal Finish=Nickel, Termination=Wraparound, Tolerance (fill in as +-)=10%, Width=1.25mm
C54: library part CMP-001-00137-1, "Ceramic Capacitor, Multilayer, Ceramic, 50V, 10% +Tol, 10% -Tol, X7R, 15% TC, 0.1uF, Surface Mount, 0805", Capacitor Type=Ceramic, Case/Package=0805, Max Operating Temperature=125°C, Min Operating Temperature=-55°C, Package Shape=Rectangular, Package Style=SMTMeter, Rated DC Voltage (URdc)=50V, Temperature Characteristics Code=X7R, Tolerance  (fill in as +-)=10%, Dielectric Material=Ceramic, Height=0.78mm, JESD-609 Code=e3, Length=2mm, Mounting Technology="Surface Mount", Multilayer=Yes, Packaging="Tape and Reel", Pins=2, Reach SVHC Compliant=Yes, RoHS Compliant=Yes, Terminal Finish=Nickel, Termination=Wraparound, Tolerance (fill in as +-)=10%, Width=1.25mm
C55 C56: library part CMP-001-00140-1, "Ceramic Capacitor, Multilayer, Ceramic, 250V, 5% +Tol, 5% -Tol, C0G, 30ppm/Cel TC, 0.000068uF, Surface Mount, 0805", Capacitor Type=Ceramic, Case/Package=0805, Max Operating Temperature=125°C, Min Operating Temperature=-55°C, Package Shape=Rectangular, Package Style=SMTMeter, Rated DC Voltage (URdc)=250V, Temperature Characteristics Code=C0G, Tolerance  (fill in as +-)=5%, Dielectric Material=Ceramic, Height=1mm, JESD-609 Code=e3, Length=2mm, Mounting Technology="Surface Mount", Multilayer=Yes, Packaging="Tape and Reel", Pins=2, Reach SVHC Compliant=Yes, RoHS Compliant=Yes, Terminal Finish=Nickel, Termination=Wraparound, Tolerance (fill in as +-)=5%, Width=1.25mm
CONN1 CONN3 CONN7 CONN8: library part CMP-002-00074-3, "Board Connector, 12 Contact(s), 2 Row(s), Male, Straight, 0.1 inch Pitch, Solder Terminal, Locking, Black Insulator, Receptacle", Dielectric Withstanding Voltage (AC)=600V, Flammability Rating="UL94 V-0", Insulation Color=Black, Insulation Resistance=1GR, Manufacturer Series=70280, Max Operating Temperature=120°C, Min Operating Temperature=-40°C, Rated Current (Signal)=3A, Body Breadth=0.2inch, Body Depth=0.09inch, Body Length=0.6inch, Body/Shell Style=RECEPTACLE, Connector Type="BOARD CONNECTOR", Contact Finish - Mating="GOLD (30) OVER NICKEL", Contact Finish - Termination="TIN (75) OVER NICKEL", Contact Gender=Male, Contact Material=Bronze, Contact Pattern=RECTANGULAR, Contact Style="SQ PIN-SKT", DIN Conformance=No, Durability=50Cycles, Filter Feature=No, IEC Conformance=No, Insulation Material=Polymer, JESD-609 Code=e3, Mating Contact Pitch=0.1inch, Mating Contact Row Spacing=0.1inch, Mating Information="MULTIPLE MATING PARTS AVAILABLE", MIL Conformance=No, Mixed Contacts=No, Mounting Option 1=LOCKING, Mounting Style=STRAIGHT, Mounting Technology=Board, Number Of Connectors=1, Number of Contacts=12, Number Of PCB Rows=2, Number of Rows Loaded=2, Option="General Purpose", PCB Contact Pattern=RECTANGULAR, PCB Contact Row Spacing=2.54mm, Plating Thickness=30uin, Reach SVHC Compliant=Yes, Reference Standard=UL, Reliability=COMMERCIAL, RoHS Compliant=Yes, Terminal Length=0.107inch, Terminal Pitch=2.54mm, Termination=Solder
CONN2 CONN5 CONN6: library part CMP-002-00075-2, "Board Connector, 8 Contact(s), 2 Row(s), Male, Straight, 0.1 inch Pitch, Solder Terminal, Receptacle", Contact Resistance=15mR, Dielectric Withstanding Voltage (DC)=600V, Flammability Rating="UL94 V-0", Insulation Resistance=1GR, Max Operating Temperature=105°C, Min Operating Temperature=-40°C, Rated Current (Signal)=3A, Body Breadth=0.2inch, Body Depth=0.09inch, Body Length=0.39inch, Body/Shell Style=RECEPTACLE, Connector Type="BOARD CONNECTOR", Contact Finish - Mating="GOLD (30) OVER NICKEL", Contact Finish - Termination="Tin (Sn) - with Nickel (Ni) barrier", Contact Gender=Male, Contact Material=Bronze, Contact Pattern=RECTANGULAR, Contact Style="SQ PIN-SKT", DIN Conformance=No, Durability=50Cycles, Filter Feature=No, IEC Conformance=No, Insulation Material=Thermoplastic, JESD-609 Code=e3, Mating Contact Pitch=0.1inch, Mating Contact Row Spacing=0.1inch, Mating Information="MULTIPLE MATING PARTS AVAILABLE", MIL Conformance=No, Mixed Contacts=No, Mounting Style=STRAIGHT, Mounting Technology=Board, Number Of Connectors=1, Number of Contacts=8, Number Of PCB Rows=2, Number of Rows Loaded=2, Option="General Purpose", PCB Contact Pattern=RECTANGULAR, PCB Contact Row Spacing=2.54mm, Plating Thickness=30uin, Polarization Key="POLAR PIN POSITION", Reach SVHC Compliant=Yes, Reference Standard=UL, Reliability=COMMERCIAL, RoHS Compliant=Yes, Terminal Length=0.11inch, Terminal Pitch=2.54mm, Termination=Solder
CONN4: library part CMP-002-00076-2, "Board Connector, 14 Contact(s), 2 Row(s), Male, Straight, 0.1 inch Pitch, Solder Terminal, Locking, Black Insulator, Receptacle", Dielectric Withstanding Voltage (AC)=600V, Flammability Rating="UL94 V-0", Insulation Color=Black, Insulation Resistance=1GR, Manufacturer Series=70280, Max Operating Temperature=120°C, Min Operating Temperature=-40°C, Rated Current (Signal)=3A, Body Breadth=0.2inch, Body Depth=0.09inch, Body Length=0.7inch, Body/Shell Style=RECEPTACLE, Connector Type="BOARD CONNECTOR", Contact Finish - Mating="GOLD (30) OVER NICKEL", Contact Finish - Termination="TIN (75) OVER NICKEL", Contact Gender=Male, Contact Material=Bronze, Contact Pattern=RECTANGULAR, Contact Style="SQ PIN-SKT", DIN Conformance=No, Durability=50Cycles, Filter Feature=No, IEC Conformance=No, Insulation Material=Polymer, JESD-609 Code=e3, Mating Contact Pitch=0.1inch, Mating Contact Row Spacing=0.1inch, Mating Information="MULTIPLE MATING PARTS AVAILABLE", MIL Conformance=No, Mixed Contacts=No, Mounting Option 1=LOCKING, Mounting Style=STRAIGHT, Mounting Technology=Board, Number Of Connectors=1, Number of Contacts=14, Number Of PCB Rows=2, Number of Rows Loaded=2, Option="General Purpose", PCB Contact Pattern=RECTANGULAR, PCB Contact Row Spacing=2.54mm, Plating Thickness=30uin, Reach SVHC Compliant=Yes, Reference Standard=UL, Reliability=COMMERCIAL, RoHS Compliant=Yes, Terminal Length=0.107inch, Terminal Pitch=2.54mm, Termination=Solder
D1 D2: library part CMP-004-00036-2, "PESD3V3Zxx: 6.8 V 15 A 0.45 pF Bidirectional ESD Protection Diode - DSN0603-2"
D3: library part CMP-004-00036-1, "PESD3V3Zxx: 6.8 V 15 A 0.45 pF Bidirectional ESD Protection Diode - DSN0603-2"
FEM: library part CMP-00025-00009-1, "RF and Baseband Circuit", RoHS Compliant=Yes
J1 J2: library part CMP-2000-05299-1, "Male Header, Pitch 2.54 mm, 1 x 2 Position, Height 9 mm, Tail Length 3.5 mm", Colour=Green, Manufacturer="Phoenix Contact", Content=250pc(s), Datasheet URL=http://datasheet.octopart.com/1725656-Phoenix-Contact-datasheet-5302866.pdf, Datasheet Version=Apr-08, Industrial packaging=Yes, Manufacturer part No.=1725656, Manufacturer URL=http://www.phoenixcontact.com/, Number of Contacts=2, Pitch=2.54mm, System=Connector, Type=MPT0,5/2-2,54
J3: library part CMP-00025-00005-4, "MCX Connector Right Angle Jack (Female), PCB Through-Hole Mount, Gold"
L1 L3 L4: library part CMP-006-00032-1, "Multilayer Inductor, 27Nh, 0.3A, 0805 Rohs Compliant: Yes"
L2: library part CMP-006-00036-2, "General Purpose Inductor, 0.022uH, 5%, 1 Element, Ceramic-Core, SMD, 0805", Case/Package="0805 Abracon", Case/Size Code=0805, DC Resistance (DCR)=500mR, Inductance-Nom (L)=0.022uH, Inductor Application="RF INDUCTOR", Inductor Type="GENERAL PURPOSE INDUCTOR", Manufacturer Series=AIMC-0805, Max Current Rating=300mA, Max Operating Temperature=125°C, Min Operating Temperature=-55°C, Self Resonant Frequency=1.4GHz, Test Frequency=15MHz, Tolerance=5%, Channels=1, Check_prices=https://www.snapeda.com/parts/AIMC-0805-22NJ-T/Abracon/view-part/?ref=eda, Component Type=Standard, Core Material=Ceramic, Design Item ID=AIMC-0805-22NJ-T, MF=Abracon, MP=AIMC-0805-22NJ-T, Pins=2, Quality Factor-Min (at L-nom)=100, Reach SVHC Compliant=Yes, RoHS Compliant=Yes, Shape/Size Description="RECTANGULAR PACKAGE", Shielding=Unshielded, SnapEDA_Link=https://www.snapeda.com/parts/AIMC-0805-22NJ-T/Abracon/view-part/?ref=snap, Source=AIMC-0805-22NJ-T.SchLib, Surface Mount=Yes, Terminal Placement="Dual Ended", Termination=Wraparound